# Altium PCB Matrix.PcbDoc (part 2 of 4) (continued)
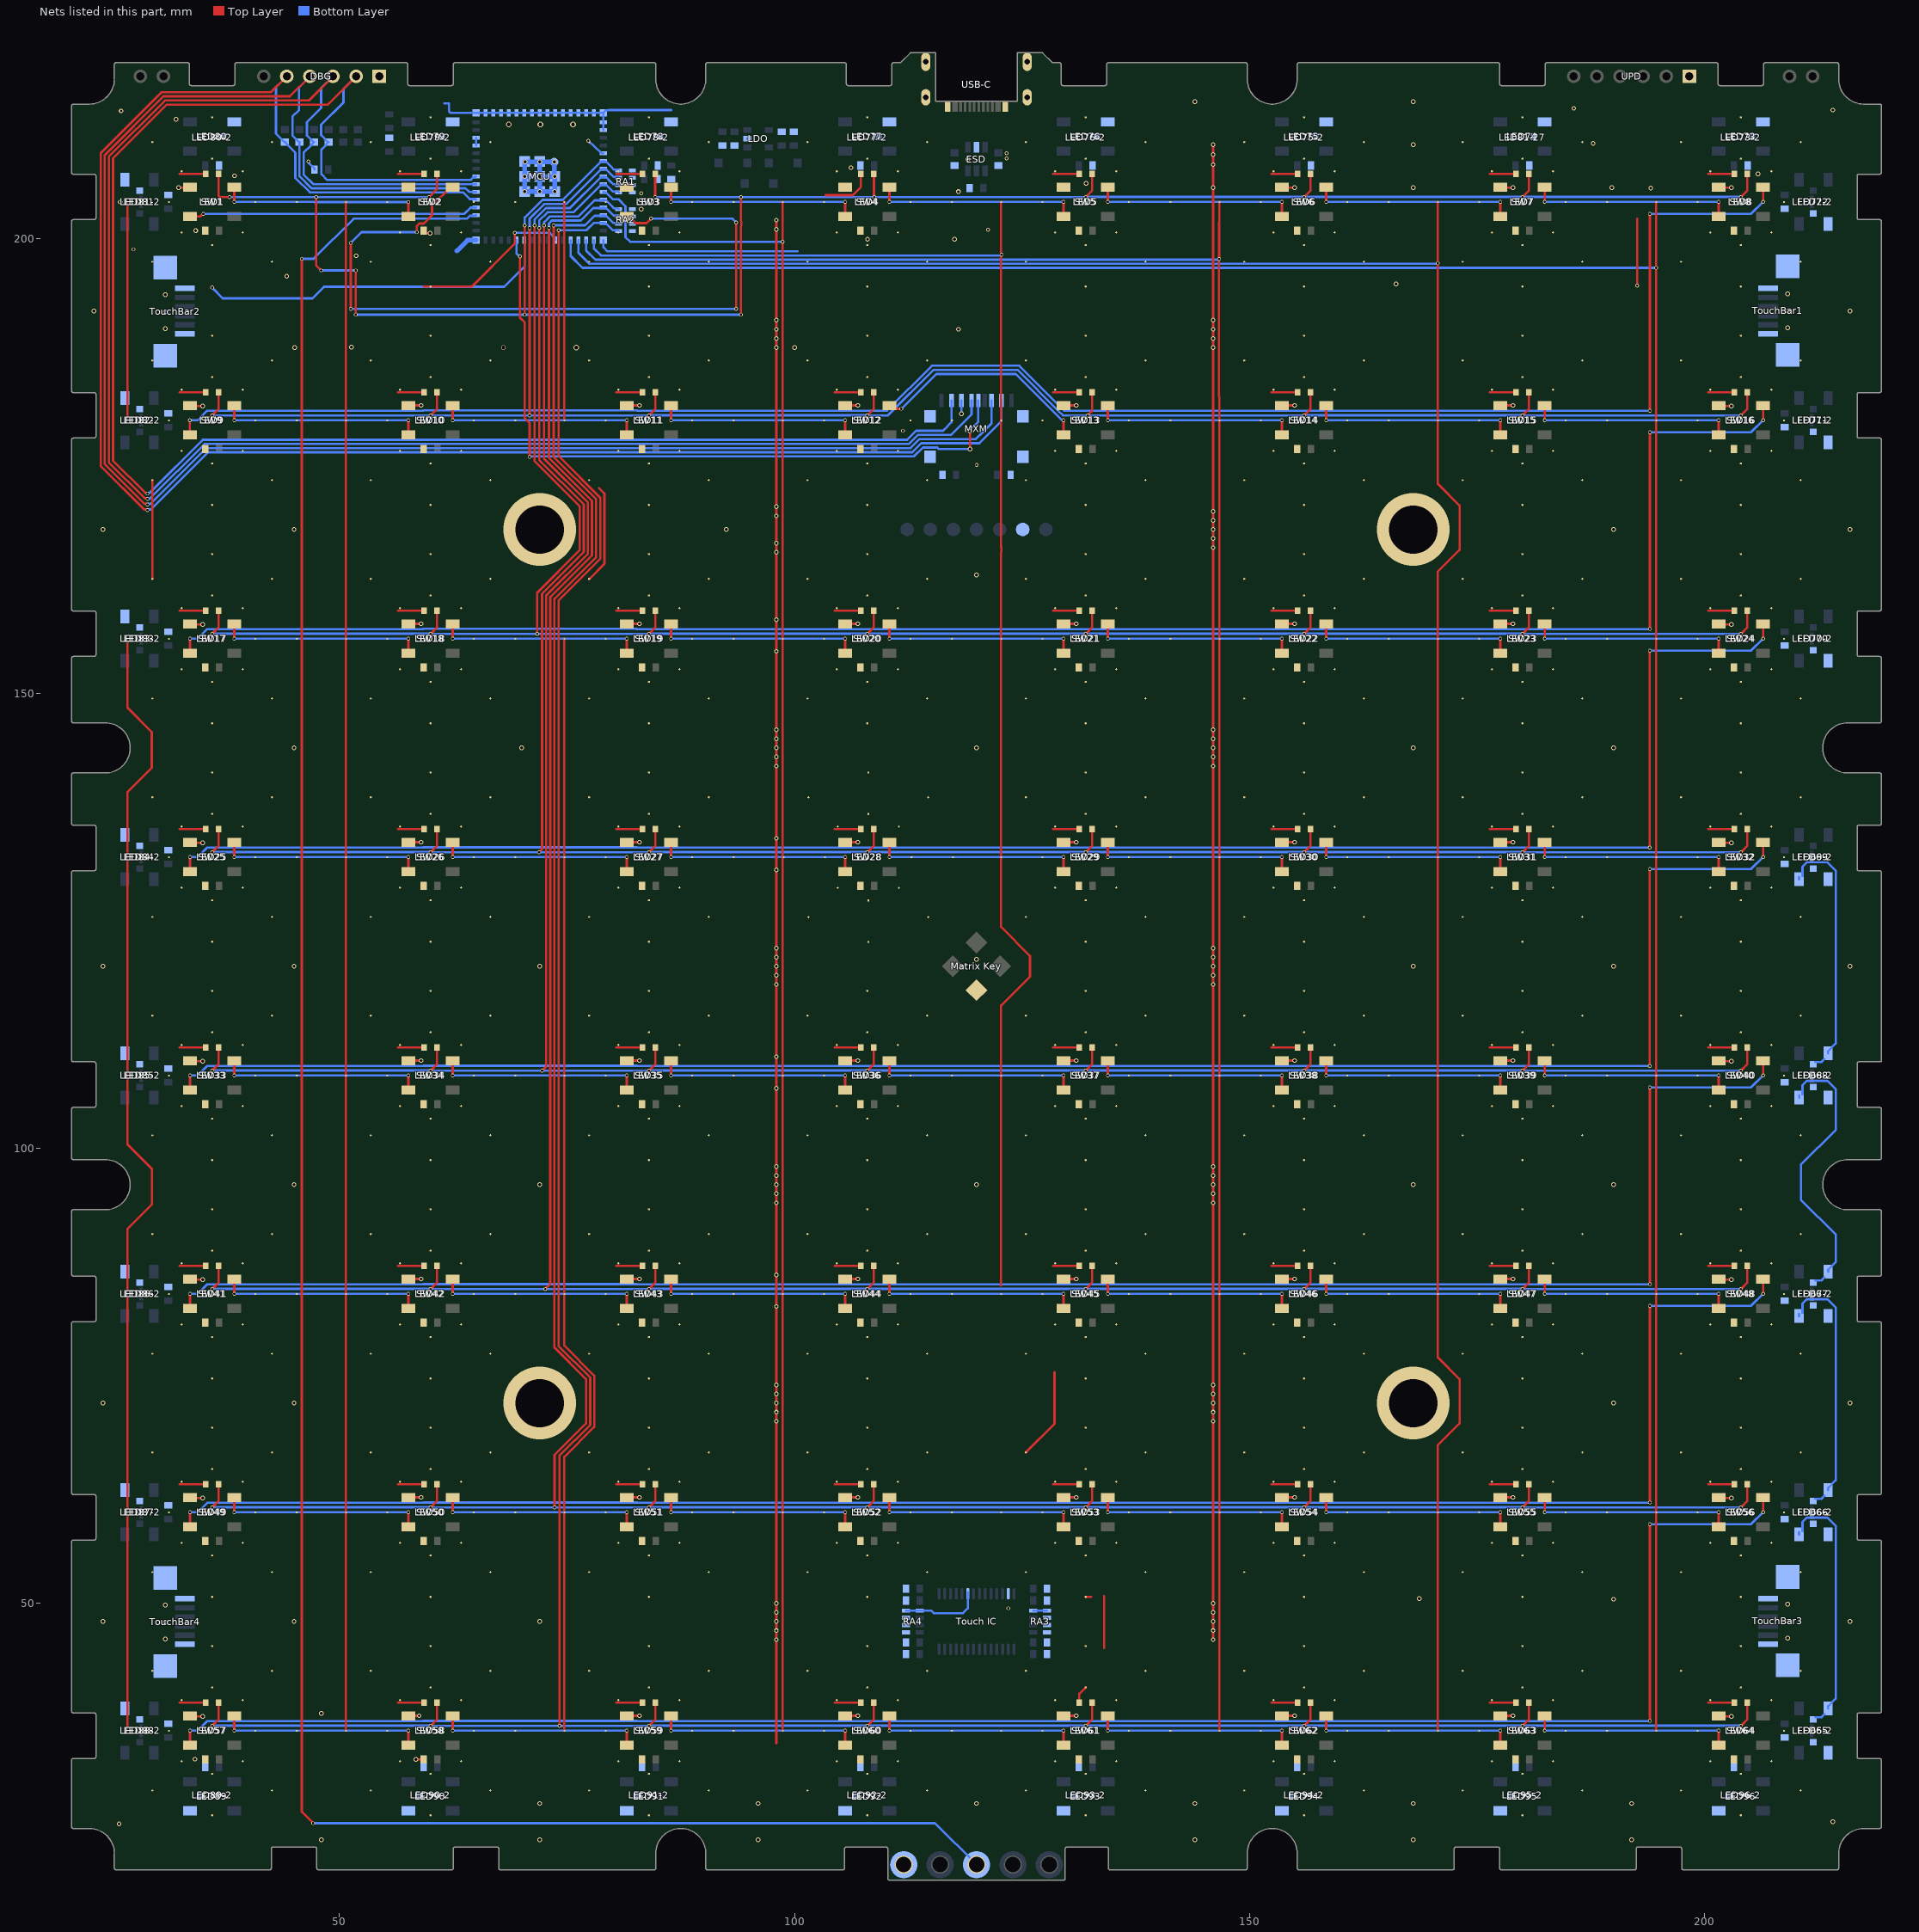
[diagram p2: the nets of this part, all layers, seen from the top]
## Nets (pads, with @x,y where several pads share a name; then routed paths per layer and width w, separated by ;. In a path a pad name is that pad's centre, name@x,y a point inside that pad or via, vN(x,y) a via of type N, cw(c..) or ccw(c..) an arc to the next point about the centre after c; other vN are vias at no path point) (continued)
KeyRead4: D25.2 D26.2 D27.2 D28.2 D29.2 D30.2 D31.2 D32.2 MCU.9 RA1.4 | length 275
  Top Layer w0.254: v1(36,132.53) 36.7,133.23 D25.2@36.7,135.08 ; v1(60,132.53) 60.7,133.23 D26.2@60.7,135.08 ; v1(71.918,132.54) 72.251,132.873 72.251,160.952 76.838,165.539 76.838,170.753 71.946,175.645 v1(71.946,201.128) ; v1(84,132.53) 84.7,133.23 D27.2@84.7,135.08 ; v1(108,132.53) 108.7,133.23 D28.2@108.7,135.08 ; v1(132,132.53) 132.7,133.23 D29.2@132.7,135.08 ; v1(156,132.53) 156.7,133.23 D30.2@156.7,135.08 ; v1(180,132.53) 180.7,133.23 D31.2@180.7,135.08 ; v1(204,132.53) 204.7,133.23 D32.2@204.7,135.08
  Bottom Layer w0.254: v1@36,132.55 59.98,132.55 v1(60,132.53) ; v1@60.01,132.54 60.015,132.535 71.913,132.535 v1(71.918,132.54) ; v1@71.918,132.541 71.924,132.535 83.995,132.535 v1(84,132.53) ; v1(71.946,201.128) 71.946,201.942 72.866,202.861 75.699,202.861 78.715,205.877 78.927,205.877 MCU.9@79,205.95 79.073,205.877 79.285,205.877 80.014,205.148 80.578,205.148 RA1.4@80.676,205.05 ; v1@84,132.55 107.98,132.55 v1(108,132.53) ; v1@108,132.55 131.98,132.55 v1(132,132.53) ; v1@132,132.55 155.98,132.55 v1(156,132.53) ; v1@156,132.55 179.98,132.55 v1(180,132.53) ; v1@180,132.55 180.02,132.53 v1(204,132.53)
KeyRead5: D33.2 D34.2 D35.2 D36.2 D37.2 D38.2 D39.2 D40.2 MCU.11 RA2.1 | length 297.7
  Top Layer w0.254: v1(36,108.53) 36.7,109.23 D33.2@36.7,111.08 ; v1(60,108.53) 60.7,109.23 D34.2@60.7,111.08 ; v1(72.251,108.53) 72.705,108.984 72.705,159.48 72.705,160.764 77.292,165.351 77.292,170.941 72.477,175.757 v1(72.477,201.422) ; v1(84,108.53) 84.7,109.23 D35.2@84.7,111.08 ; v1(108,108.53) 108.7,109.23 D36.2@108.7,111.08 ; v1(132,108.53) 132.7,109.23 D37.2@132.7,111.08 ; v1(156,108.53) 156.7,109.23 D38.2@156.7,111.08 ; v1(180,108.53) 180.7,109.23 D39.2@180.7,111.08 ; v1(204,108.53) 204.7,109.23 D40.2@204.7,111.08
  Bottom Layer w0.254: v1@36,108.55 59.98,108.55 v1(60,108.53) ; v1@60.01,108.54 60.02,108.53 v1(72.251,108.53) v1(84,108.53) ; v1(72.477,201.422) 72.484,201.43 72.484,201.761 73.13,202.407 76.255,202.407 78.025,204.177 78.927,204.177 MCU.11@79,204.25 79.073,204.177 79.285,204.177 79.795,203.667 80.164,203.298 80.578,203.298 RA2.1@80.676,203.2 ; v1@84,108.55 107.98,108.55 v1(108,108.53) ; v1@108,108.55 131.98,108.55 v1(132,108.53) ; v1@132,108.55 155.98,108.55 v1(156,108.53) ; v1@156,108.55 179.98,108.55 v1(180,108.53) ; v1@180,108.55 180.02,108.53 v1(204,108.53)
KeyRead6: D41.2 D42.2 D43.2 D44.2 D45.2 D46.2 D47.2 D48.2 MCU.12 RA2.2 | length 320.8
  Top Layer w0.254: v1(36,84.53) 36.7,85.23 D41.2@36.7,87.08 ; v1(60,84.53) 60.7,85.23 D42.2@60.7,87.08 ; v1(72.6,84.53) 73.159,85.089 73.159,159.292 73.159,160.576 77.746,165.163 77.746,171.129 73.007,175.869 v1(73.007,201.128) ; v1(84,84.53) 84.7,85.23 D43.2@84.7,87.08 ; v1(108,84.53) 108.7,85.23 D44.2@108.7,87.08 ; v1(132,84.53) 132.7,85.23 D45.2@132.7,87.08 ; v1(156,84.53) 156.7,85.23 D46.2@156.7,87.08 ; v1(180,84.53) 180.7,85.23 D47.2@180.7,87.08 ; v1(204,84.53) 204.7,85.23 D48.2@204.7,87.08
  Bottom Layer w0.254: v1@36,84.55 59.98,84.55 v1(60,84.53) ; v1@60.01,84.54 60.02,84.53 v1(72.6,84.53) v1(84,84.53) ; v1(73.007,201.128) 73.007,201.642 73.318,201.953 76.508,201.953 77.882,203.327 78.927,203.327 MCU.12@79,203.4 79.073,203.327 79.285,203.327 80.129,202.484 80.592,202.484 RA2.2@80.676,202.4 ; v1@84,84.55 107.98,84.55 v1(108,84.53) ; v1@108,84.55 131.98,84.55 v1(132,84.53) ; v1@132,84.55 155.98,84.55 v1(156,84.53) ; v1@156,84.55 179.98,84.55 v1(180,84.53) ; v1@180.01,84.54 180.02,84.53 v1(204,84.53)
KeyRead7: D49.2 D50.2 D51.2 D52.2 D53.2 D54.2 D55.2 D56.2 MCU.13 RA2.3 | length 346.4
  Top Layer w0.254: v1(36,60.53) 36.7,61.23 D49.2@36.7,63.08 ; v1(60,60.53) 60.7,61.23 D50.2@60.7,63.08 ; v1(73.537,201.422) 73.537,175.981 78.2,171.317 78.2,164.975 73.613,160.388 73.613,146.3 73.613,80.547 73.613,78.102 77.087,74.629 77.087,69.772 73.631,66.316 v1(73.631,60.53) ; v1(84,60.53) 84.7,61.23 D51.2@84.7,63.08 ; v1(108,60.53) 108.7,61.23 D52.2@108.7,63.08 ; v1(132,60.53) 132.7,61.23 D53.2@132.7,63.08 ; v1(156,60.53) 156.7,61.23 D54.2@156.7,63.08 ; v1(180,60.53) 180.7,61.23 D55.2@180.7,63.08 ; v1(204,60.53) 204.7,61.23 D56.2@204.7,63.08
  Bottom Layer w0.254: v1@36,60.55 59.98,60.55 v1(60,60.53) ; v1@60.01,60.54 60.02,60.53 v1(73.631,60.53) ; v1(73.537,201.422) 73.54,201.424 76.97,201.424 78.022,202.477 78.927,202.477 MCU.13@79,202.55 79.073,202.477 79.285,202.477 80.064,201.698 80.578,201.698 RA2.3@80.676,201.6 ; v1(73.631,60.53) v1(84,60.53) ; v1@84,60.55 107.98,60.55 v1(108,60.53) ; v1@108,60.55 131.98,60.55 v1(132,60.53) ; v1@132,60.55 155.98,60.55 v1(156,60.53) ; v1@156,60.55 179.98,60.55 v1(180,60.53) ; v1@180,60.55 180.02,60.53 v1(204,60.53)
KeyRead8: D57.2 D58.2 D59.2 D60.2 D61.2 D62.2 D63.2 D64.2 MCU.14 RA2.4 | length 369.1
  Top Layer w0.254: v1(36,36.53) 36.7,37.23 D57.2@36.7,39.08 ; v1(60,36.53) 60.7,37.23 D58.2@60.7,39.08 ; v1(74.067,200.894) 74.067,176.092 78.654,171.505 78.654,164.787 74.067,160.2 74.067,78.29 77.541,74.817 77.541,69.584 74.161,66.204 v1(74.161,36.54) ; v1(84,36.53) 84.7,37.23 D59.2@84.7,39.08 ; v1(108,36.53) 108.7,37.23 D60.2@108.7,39.08 ; v1(132,36.53) 132.7,37.23 D61.2@132.7,39.08 ; v1(156,36.53) 156.7,37.23 D62.2@156.7,39.08 ; v1(180,36.53) 180.7,37.23 D63.2@180.7,39.08 ; v1(204,36.53) 204.7,37.23 D64.2@204.7,39.08
  Bottom Layer w0.254: v1@36,36.55 59.98,36.55 v1(60,36.53) ; v1@60.01,36.54 60.015,36.535 74.156,36.535 v1(74.161,36.54) ; v1(74.067,200.894) 74.069,200.896 77.148,200.896 77.952,201.7 MCU.14@79,201.7 79.073,201.627 79.285,201.627 80.016,200.896 80.58,200.896 RA2.4@80.676,200.8 ; v1@74.161,36.53 74.166,36.535 83.995,36.535 v1(84,36.53) ; v1@84,36.55 107.98,36.55 v1(108,36.53) ; v1@108,36.55 131.98,36.55 v1(132,36.53) ; v1@132,36.55 155.98,36.55 v1(156,36.53) ; v1@156,36.55 179.98,36.55 v1(180,36.53) 180.02,36.55 203.98,36.55 v1(204,36.53)
LEDdata: LED1.4 MCU.34 | length 31.9
  Top Layer w0.254: LED1.4@33.562,202.4 34.699,202.4 34.984,202.686 v1(35.025,202.686)
  Bottom Layer w0.254: v1(35.025,202.686) 63.708,202.686 64.396,203.373 64.973,203.373 MCU.34@65,203.4
ModGPIO: MCU.33 P3.3 pad.@120,21.277 | length 268.3
  Top Layer w0.254: v1(45.853,197.743) 45.853,27.088 v1(47.104,25.838)
  Bottom Layer w0.254: v1(45.853,197.743) 47.135,197.743 51.547,202.155 64.003,202.155 64.325,202.477 64.927,202.477 MCU.33@65,202.55 ; v1(47.104,25.838) 115.439,25.838 P3.3@120,21.277
MXM_DET: MCU.26 MXM.9 | length 79.1
  Top Layer w0.254: v1(69.826,198.006) 69.825,198.005 69.825,191.295 70.355,190.765 70.355,180.231 70.886,179.7 v1(70.886,175.962) ; v2@119.297,176.835 v2(119.297,178.806)
  Bottom Layer w0.254: MCU.26@69.45,199.8 69.449,199.799 69.449,198.324 69.737,198.036 69.797,198.036 v1(69.826,198.006) ; v1(70.886,175.962) 70.927,175.962 71.003,176.038 113.14,176.038 114.115,177.012 115.685,177.012 115.87,176.828 v2(119.304,176.828) ; v2(119.297,178.806) 119.297,178.874 119.423,179 119.423,179.085 119.764,179.425 120.2,179.862 MXM.9@120.2,182.185
NC: 
NetD1_1: D1.1 SW1.2 | length 2.9
  Top Layer w0.254: 32.437,207.08 D1.1@35.3,207.08
NetD2_1: D2.1 SW2.2 | length 2.9
  Top Layer w0.254: 56.437,207.08 D2.1@59.3,207.08
NetD3_1: D3.1 SW3.2 | length 2.9
  Top Layer w0.254: 80.437,207.08 D3.1@83.3,207.08
NetD4_1: D4.1 SW4.2 | length 5.7
  Top Layer w0.254: 103.409,204.74 106.415,204.74 107.3,205.625 D4.1@107.3,207.08
NetD5_1: D5.1 SW5.2 | length 2.9
  Top Layer w0.254: 128.437,207.08 D5.1@131.3,207.08
NetD6_1: D6.1 SW6.2 | length 2.9
  Top Layer w0.254: 152.437,207.08 D6.1@155.3,207.08
NetD7_1: D7.1 SW7.2 | length 2.9
  Top Layer w0.254: 176.437,207.08 D7.1@179.3,207.08
NetD8_1: D8.1 SW8.2 | length 2.9
  Top Layer w0.254: 200.437,207.08 D8.1@203.3,207.08
NetD9_1: D9.1 SW9.2 | length 2.9
  Top Layer w0.254: 32.437,183.08 D9.1@35.3,183.08
NetD10_1: D10.1 SW10.2 | length 2.9
  Top Layer w0.254: 56.437,183.08 D10.1@59.3,183.08
NetD11_1: D11.1 SW11.2 | length 2.9
  Top Layer w0.254: 80.437,183.08 D11.1@83.3,183.08
NetD12_1: D12.1 SW12.2 | length 2.9
  Top Layer w0.254: 104.437,183.08 D12.1@107.3,183.08
NetD13_1: D13.1 SW13.2 | length 2.9
  Top Layer w0.254: 128.437,183.08 D13.1@131.3,183.08
NetD14_1: D14.1 SW14.2 | length 2.9
  Top Layer w0.254: 152.437,183.08 D14.1@155.3,183.08
NetD15_1: D15.1 SW15.2 | length 2.9
  Top Layer w0.254: 176.437,183.08 D15.1@179.3,183.08
NetD16_1: D16.1 SW16.2 | length 2.9
  Top Layer w0.254: 200.437,183.08 D16.1@203.3,183.08
NetD17_1: D17.1 SW17.2 | length 2.9
  Top Layer w0.254: 32.437,159.08 D17.1@35.3,159.08
NetD18_1: D18.1 SW18.2 | length 2.9
  Top Layer w0.254: 56.437,159.08 D18.1@59.3,159.08
NetD19_1: D19.1 SW19.2 | length 2.9
  Top Layer w0.254: 80.437,159.08 D19.1@83.3,159.08
NetD20_1: D20.1 SW20.2 | length 2.9
  Top Layer w0.254: 104.437,159.08 D20.1@107.3,159.08
NetD21_1: D21.1 SW21.2 | length 2.9
  Top Layer w0.254: 128.437,159.08 D21.1@131.3,159.08
NetD22_1: D22.1 SW22.2 | length 2.9
  Top Layer w0.254: 152.437,159.08 D22.1@155.3,159.08
NetD23_1: D23.1 SW23.2 | length 2.9
  Top Layer w0.254: 176.437,159.08 D23.1@179.3,159.08
NetD24_1: D24.1 SW24.2 | length 2.9
  Top Layer w0.254: 200.437,159.08 D24.1@203.3,159.08
NetD25_1: D25.1 SW25.2 | length 2.9
  Top Layer w0.254: 32.437,135.08 D25.1@35.3,135.08
NetD26_1: D26.1 SW26.2 | length 2.9
  Top Layer w0.254: 56.437,135.08 D26.1@59.3,135.08
NetD27_1: D27.1 SW27.2 | length 2.9
  Top Layer w0.254: 80.437,135.08 D27.1@83.3,135.08
NetD28_1: D28.1 SW28.2 | length 2.9
  Top Layer w0.254: 104.437,135.08 D28.1@107.3,135.08
NetD29_1: D29.1 SW29.2 | length 2.9
  Top Layer w0.254: 128.437,135.08 D29.1@131.3,135.08
NetD30_1: D30.1 SW30.2 | length 2.9
  Top Layer w0.254: 152.437,135.08 D30.1@155.3,135.08
NetD31_1: D31.1 SW31.2 | length 2.9
  Top Layer w0.254: 176.437,135.08 D31.1@179.3,135.08
NetD32_1: D32.1 SW32.2 | length 2.9
  Top Layer w0.254: 200.437,135.08 D32.1@203.3,135.08
NetD33_1: D33.1 SW33.2 | length 2.9
  Top Layer w0.254: 32.437,111.08 D33.1@35.3,111.08
NetD34_1: D34.1 SW34.2 | length 2.9
  Top Layer w0.254: 56.437,111.08 D34.1@59.3,111.08
NetD35_1: D35.1 SW35.2 | length 2.9
  Top Layer w0.254: 80.437,111.08 D35.1@83.3,111.08
NetD36_1: D36.1 SW36.2 | length 2.9
  Top Layer w0.254: 104.437,111.08 D36.1@107.3,111.08
NetD37_1: D37.1 SW37.2 | length 2.9
  Top Layer w0.254: 128.437,111.08 D37.1@131.3,111.08
NetD38_1: D38.1 SW38.2 | length 2.9
  Top Layer w0.254: 152.437,111.08 D38.1@155.3,111.08
NetD39_1: D39.1 SW39.2 | length 2.9
  Top Layer w0.254: 176.437,111.08 D39.1@179.3,111.08
NetD40_1: D40.1 SW40.2 | length 2.9
  Top Layer w0.254: 200.437,111.08 D40.1@203.3,111.08
NetD41_1: D41.1 SW41.2 | length 2.9
  Top Layer w0.254: 32.437,87.08 D41.1@35.3,87.08
NetD42_1: D42.1 SW42.2 | length 2.9
  Top Layer w0.254: 56.437,87.08 D42.1@59.3,87.08
NetD43_1: D43.1 SW43.2 | length 2.9
  Top Layer w0.254: 80.437,87.08 D43.1@83.3,87.08
NetD44_1: D44.1 SW44.2 | length 2.9
  Top Layer w0.254: 104.437,87.08 D44.1@107.3,87.08
NetD45_1: D45.1 SW45.2 | length 2.9
  Top Layer w0.254: 128.437,87.08 D45.1@131.3,87.08
NetD46_1: D46.1 SW46.2 | length 2.9
  Top Layer w0.254: 152.437,87.08 D46.1@155.3,87.08
NetD47_1: D47.1 SW47.2 | length 2.9
  Top Layer w0.254: 176.437,87.08 D47.1@179.3,87.08
NetD48_1: D48.1 SW48.2 | length 2.9
  Top Layer w0.254: 200.437,87.08 D48.1@203.3,87.08
NetD49_1: D49.1 SW49.2 | length 2.9
  Top Layer w0.254: 32.437,63.08 D49.1@35.3,63.08
NetD50_1: D50.1 SW50.2 | length 2.9
  Top Layer w0.254: 56.437,63.08 D50.1@59.3,63.08
NetD51_1: D51.1 SW51.2 | length 2.9
  Top Layer w0.254: 80.437,63.08 D51.1@83.3,63.08
NetD52_1: D52.1 SW52.2 | length 2.9
  Top Layer w0.254: 104.437,63.08 D52.1@107.3,63.08
NetD53_1: D53.1 SW53.2 | length 2.9
  Top Layer w0.254: 128.437,63.08 D53.1@131.3,63.08
NetD54_1: D54.1 SW54.2 | length 2.9
  Top Layer w0.254: 152.437,63.08 D54.1@155.3,63.08
NetD55_1: D55.1 SW55.2 | length 2.9
  Top Layer w0.254: 176.437,63.08 D55.1@179.3,63.08
NetD56_1: D56.1 SW56.2 | length 2.9
  Top Layer w0.254: 200.437,63.08 D56.1@203.3,63.08
NetD57_1: D57.1 SW57.2 | length 2.9
  Top Layer w0.254: 32.437,39.08 D57.1@35.3,39.08
NetD58_1: D58.1 SW58.2 | length 2.9
  Top Layer w0.254: 56.437,39.08 D58.1@59.3,39.08
NetD59_1: D59.1 SW59.2 | length 2.9
  Top Layer w0.254: 80.437,39.08 D59.1@83.3,39.08
NetD60_1: D60.1 SW60.2 | length 2.9
  Top Layer w0.254: 104.437,39.08 D60.1@107.3,39.08
NetD61_1: D61.1 SW61.2 | length 2
  Top Layer w0.254: D61.1@131.3,39.08 131.3,40.05 SW61.2@132,40.75
NetD62_1: D62.1 SW62.2 | length 2.9
  Top Layer w0.254: 152.437,39.08 D62.1@155.3,39.08
NetD63_1: D63.1 SW63.2 | length 2.9
  Top Layer w0.254: 176.437,39.08 D63.1@179.3,39.08
NetD64_1: D64.1 SW64.2 | length 2.9
  Top Layer w0.254: 200.437,39.08 D64.1@203.3,39.08
NetLED1_2: LED1.2 LED2.4 | length 23.1
  Top Layer w0.254: LED1.2@37.815,205.227 38.188,205.6 LED1.2@38.438,205.6 v1(38.438,204) ; v1(57.56,203.984) v1(57.56,203.984) LED2.4@57.562,202.4
  Bottom Layer w0.254: v1(38.438,204) 47.213,204 47.23,203.984 v1(57.56,203.984)
NetLED2_2: LED2.2 LED3.4 | length 86.6
  Top Layer w0.254: v1(51.234,192.246) v1(51.234,199.501) ; v1(58.497,200.678) 58.497,201.359 58.765,201.627 59.251,201.627 60.167,202.543 60.167,203.567 60.231,203.631 60.231,203.643 62.188,205.6 LED2.2@62.438,205.6 LED2.2@62.451,205.588 ; LED3.4@81.562,202.4 81.812,202.4 82.544,201.667 83.732,201.667 v1(84.22,202.155) ; v1(93.583,192.246) 93.592,192.255 93.592,201.739 v1(93.601,201.748)
  Bottom Layer w0.254: v1(51.234,192.246) v1(93.583,192.246) ; v1(51.234,199.501) 52.411,200.678 v1(58.497,200.678) ; v1(84.22,202.155) 93.182,202.155 93.59,201.748 v1(93.601,201.748)
NetLED3_2: LED3.2 LED4.4 | length 22.3
  Top Layer w0.254: v1(86.438,204) LED3.2@86.438,205.6 ; LED4.4@105.562,202.4 v1(105.562,204)
  Bottom Layer w0.254: v1(86.438,204) v1(105.562,204)
NetLED4_2: LED4.2 LED5.4 | length 22.3
  Top Layer w0.254: v1(110.438,204) LED4.2@110.438,205.6 ; LED5.4@129.562,202.4 v1(129.562,204)
  Bottom Layer w0.254: v1(110.438,204) v1(129.562,204)
NetLED5_2: LED5.2 LED6.4 | length 22.3
  Top Layer w0.254: v1(134.438,204) LED5.2@134.438,205.6 ; LED6.4@153.562,202.4 v1(153.562,204)
  Bottom Layer w0.254: v1(134.438,204) v1(153.562,204)
NetLED6_2: LED6.2 LED7.4 | length 22.3
  Top Layer w0.254: v1(158.438,204) LED6.2@158.438,205.6 ; LED7.4@177.562,202.4 v1(177.562,204)
  Bottom Layer w0.254: v1(158.438,204) v1(177.562,204)
NetLED7_2: LED7.2 LED8.4 | length 22.3
  Top Layer w0.254: v1(182.438,204) LED7.2@182.438,205.6 ; LED8.4@201.562,202.4 v1(201.562,204)
  Bottom Layer w0.254: v1(182.438,204) v1(201.562,204)
NetLED8_2: LED8.2 LED9.4 | length 202.8
  Top Layer w0.254: v1(33.532,180) 33.532,178.43 LED9.4@33.562,178.4 ; v1(194.002,181.06) v1(194.002,202.686) ; v1(206.438,204) LED8.2@206.438,205.6
  Bottom Layer w0.254: v1(33.532,180) 34.403,180 35.463,181.06 59.194,181.06 59.214,181.08 82.692,181.08 82.712,181.06 110.155,181.06 115.095,186 124.69,186 129.63,181.06 132.003,181.06 v1(194.002,181.06) ; v1(194.002,202.686) 205.124,202.686 v1(206.438,204)
NetLED9_2: LED9.2 LED10.4 | length 22.3
  Top Layer w0.254: v1(38.438,180) LED9.2@38.438,181.6 ; LED10.4@57.562,178.4 v1(57.562,180)
  Bottom Layer w0.254: v1(38.438,180) v1(57.562,180)
NetLED10_2: LED10.2 LED11.4 | length 22.3
  Top Layer w0.254: v1(62.438,180) LED10.2@62.438,181.6 ; LED11.4@81.562,178.4 v1(81.562,180)
  Bottom Layer w0.254: v1(62.438,180) v1(81.562,180)
NetLED11_2: LED11.2 LED12.4 | length 22.3
  Top Layer w0.254: v1(86.438,180) LED11.2@86.438,181.6 ; LED12.4@105.562,178.4 v1(105.562,180)
  Bottom Layer w0.254: v1(86.438,180) v1(105.562,180)
NetLED12_2: LED12.2 LED13.4 | length 24.6
  Top Layer w0.254: LED12.2@110.438,181.6 110.783,181.255 v1(111.742,181.255) ; LED13.4@129.562,178.4 v1(129.562,180)
  Bottom Layer w0.254: v1(111.742,181.255) 113.89,183.403 115.579,185.092 124.314,185.092 128.906,180.5 129.377,180.029 129.533,180.029 v1(129.562,180)
NetLED13_2: LED13.2 LED14.4 | length 22.3
  Top Layer w0.254: v1(134.438,180) LED13.2@134.438,181.6 ; LED14.4@153.562,178.4 v1(153.562,180)
  Bottom Layer w0.254: v1(134.438,180) v1(153.562,180)
NetLED14_2: LED14.2 LED15.4 | length 22.3
  Top Layer w0.254: v1(158.438,180) LED14.2@158.438,181.6 ; LED15.4@177.562,178.4 v1(177.562,180)
  Bottom Layer w0.254: v1(158.438,180) v1(177.562,180)
NetLED15_2: LED15.2 LED16.4 | length 22.3
  Top Layer w0.254: v1(182.438,180) LED15.2@182.438,181.6 ; LED16.4@201.562,178.4 v1(201.562,180)
  Bottom Layer w0.254: v1(182.438,180) v1(201.562,180)
NetLED16_2: LED16.2 LED17.4 | length 198.7
  Top Layer w0.254: LED17.4@33.562,154.4 v1(33.562,156) ; v1(194,157.072) v1(194,178.686) ; v1(206.438,180) LED16.2@206.438,181.6
  Bottom Layer w0.254: v1(33.562,156) 34.403,156 35.463,157.06 59.194,157.06 59.214,157.08 82.63,157.08 82.65,157.06 193.989,157.06 v1(194,157.072) ; v1(194,178.686) 205.124,178.686 v1(206.438,180)
NetLED17_2: LED17.2 LED18.4 | length 22.3
  Top Layer w0.254: v1(38.438,156) LED17.2@38.438,157.6 ; LED18.4@57.562,154.4 v1(57.562,156)
  Bottom Layer w0.254: v1(38.438,156) v1(57.562,156)
NetLED18_2: LED18.2 LED19.4 | length 22.3
  Top Layer w0.254: v1(62.438,156) LED18.2@62.438,157.6 ; LED19.4@81.562,154.4 v1(81.562,156)
  Bottom Layer w0.254: v1(62.438,156) v1(81.562,156)
NetLED19_2: LED19.2 LED20.4 | length 22.3
  Top Layer w0.254: v1(86.438,156) LED19.2@86.438,157.6 ; LED20.4@105.562,154.4 v1(105.562,156)
  Bottom Layer w0.254: v1(86.438,156) v1(105.562,156)
NetLED20_2: LED20.2 LED21.4 | length 22.3
  Top Layer w0.254: v1(110.438,156) LED20.2@110.438,157.6 ; LED21.4@129.562,154.4 v1(129.562,156)
  Bottom Layer w0.254: v1(110.438,156) v1(129.562,156)
NetLED21_2: LED21.2 LED22.4 | length 22.3
  Top Layer w0.254: v1(134.438,156) LED21.2@134.438,157.6 ; LED22.4@153.562,154.4 v1(153.562,156)
  Bottom Layer w0.254: v1(134.438,156) v1(153.562,156)
NetLED22_2: LED22.2 LED23.4 | length 22.3
  Top Layer w0.254: v1(158.438,156) LED22.2@158.438,157.6 ; LED23.4@177.562,154.4 v1(177.562,156)
  Bottom Layer w0.254: v1(158.438,156) v1(177.562,156)
NetLED23_2: LED23.2 LED24.4 | length 22.3
  Top Layer w0.254: v1(182.438,156) LED23.2@182.438,157.6 ; LED24.4@201.562,154.4 v1(201.562,156)
  Bottom Layer w0.254: v1(182.438,156) v1(201.562,156)
NetLED24_2: LED24.2 LED25.4 | length 198.7
  Top Layer w0.254: LED25.4@33.562,130.4 v1(33.562,132) ; v1(193.988,133.06) 193.994,133.066 193.994,154.68 v1(194,154.686) ; v1(206.438,156) LED24.2@206.438,157.6
  Bottom Layer w0.254: v1(33.562,132) 34.416,132 35.476,133.06 59.194,133.06 59.204,133.07 82.702,133.07 82.712,133.06 v1(193.988,133.06) ; v1(194,154.686) 205.124,154.686 v1(206.438,156)
NetLED25_2: LED25.2 LED26.4 | length 22.3
  Top Layer w0.254: v1(38.438,132) LED25.2@38.438,133.6 ; LED26.4@57.562,130.4 v1(57.562,132)
  Bottom Layer w0.254: v1(38.438,132) v1(57.562,132)
NetLED26_2: LED26.2 LED27.4 | length 22.3
  Top Layer w0.254: v1(62.438,132) LED26.2@62.438,133.6 ; LED27.4@81.562,130.4 v1(81.562,132)
  Bottom Layer w0.254: v1(62.438,132) v1(81.562,132)
NetLED27_2: LED27.2 LED28.4 | length 22.3
  Top Layer w0.254: v1(86.438,132) LED27.2@86.438,133.6 ; LED28.4@105.562,130.4 v1(105.562,132)
  Bottom Layer w0.254: v1(86.438,132) v1(105.562,132)
NetLED28_2: LED28.2 LED29.4 | length 22.3
  Top Layer w0.254: v1(110.438,132) LED28.2@110.438,133.6 ; LED29.4@129.562,130.4 v1(129.562,132)
  Bottom Layer w0.254: v1(110.438,132) v1(129.562,132)
NetLED29_2: LED29.2 LED30.4 | length 22.3
  Top Layer w0.254: v1(134.438,132) LED29.2@134.438,133.6 ; LED30.4@153.562,130.4 v1(153.562,132)
  Bottom Layer w0.254: v1(134.438,132) v1(153.562,132)
NetLED30_2: LED30.2 LED31.4 | length 22.3
  Top Layer w0.254: v1(158.438,132) LED30.2@158.438,133.6 ; LED31.4@177.562,130.4 v1(177.562,132)
  Bottom Layer w0.254: v1(158.438,132) v1(177.562,132)
NetLED31_2: LED31.2 LED32.4 | length 22.3
  Top Layer w0.254: v1(182.438,132) LED31.2@182.438,133.6 ; LED32.4@201.562,130.4 v1(201.562,132)
  Bottom Layer w0.254: v1(182.438,132) v1(201.562,132)
NetLED32_2: LED32.2 LED33.4 | length 198.7
  Top Layer w0.254: LED33.4@33.562,106.4 v1(33.562,108) ; v1(193.988,109.06) 193.994,109.067 193.994,130.68 v1(194,130.686) ; v1(206.438,132) LED32.2@206.438,133.6
  Bottom Layer w0.254: v1(33.562,108) 34.416,108 35.476,109.06 59.207,109.06 59.217,109.07 82.702,109.07 82.712,109.06 v1(193.988,109.06) ; v1(194,130.686) 205.124,130.686 v1(206.438,132)
NetLED33_2: LED33.2 LED34.4 | length 22.3
  Top Layer w0.254: v1(38.438,108) LED33.2@38.438,109.6 ; LED34.4@57.562,106.4 v1(57.562,108)
  Bottom Layer w0.254: v1(38.438,108) v1(57.562,108)
NetLED34_2: LED34.2 LED35.4 | length 22.3
  Top Layer w0.254: v1(62.438,108) LED34.2@62.438,109.6 ; LED35.4@81.562,106.4 v1(81.562,108)
  Bottom Layer w0.254: v1(62.438,108) v1(81.562,108)
NetLED35_2: LED35.2 LED36.4 | length 22.3
  Top Layer w0.254: v1(86.438,108) LED35.2@86.438,109.6 ; LED36.4@105.562,106.4 v1(105.562,108)
  Bottom Layer w0.254: v1(86.438,108) v1(105.562,108)
NetLED36_2: LED36.2 LED37.4 | length 22.3
  Top Layer w0.254: v1(110.438,108) LED36.2@110.438,109.6 ; LED37.4@129.562,106.4 v1(129.562,108)
  Bottom Layer w0.254: v1(110.438,108) v1(129.562,108)
NetLED37_2: LED37.2 LED38.4 | length 22.3
  Top Layer w0.254: v1(134.438,108) LED37.2@134.438,109.6 ; LED38.4@153.562,106.4 v1(153.562,108)
  Bottom Layer w0.254: v1(134.438,108) v1(153.562,108)
NetLED38_2: LED38.2 LED39.4 | length 22.3
  Top Layer w0.254: v1(158.438,108) LED38.2@158.438,109.6 ; LED39.4@177.562,106.4 v1(177.562,108)
  Bottom Layer w0.254: v1(158.438,108) v1(177.562,108)
NetLED39_2: LED39.2 LED40.4 | length 22.3
  Top Layer w0.254: v1(182.438,108) LED39.2@182.438,109.6 ; LED40.4@201.562,106.4 v1(201.562,108)
  Bottom Layer w0.254: v1(182.438,108) v1(201.562,108)
NetLED40_2: LED40.2 LED41.4 | length 198.7
  Top Layer w0.254: LED41.4@33.562,82.4 v1(33.562,84) ; v1(194,85.072) v1(194,106.686) ; v1(206.438,108) LED40.2@206.438,109.6
  Bottom Layer w0.254: v1(33.562,84) 34.416,84 35.476,85.06 59.194,85.06 59.204,85.07 82.702,85.07 82.712,85.06 193.989,85.06 v1(194,85.072) ; v1(194,106.686) 205.124,106.686 v1(206.438,108)
NetLED41_2: LED41.2 LED42.4 | length 22.3
  Top Layer w0.254: v1(38.438,84) LED41.2@38.438,85.6 ; LED42.4@57.562,82.4 v1(57.562,84)
  Bottom Layer w0.254: v1(38.438,84) v1(57.562,84)
NetLED42_2: LED42.2 LED43.4 | length 22.3
  Top Layer w0.254: v1(62.438,84) LED42.2@62.438,85.6 ; LED43.4@81.562,82.4 v1(81.562,84)
  Bottom Layer w0.254: v1(62.438,84) v1(81.562,84)
NetLED43_2: LED43.2 LED44.4 | length 22.3
  Top Layer w0.254: v1(86.438,84) LED43.2@86.438,85.6 ; LED44.4@105.562,82.4 v1(105.562,84)
  Bottom Layer w0.254: v1(86.438,84) v1(105.562,84)
NetLED44_2: LED44.2 LED45.4 | length 22.3
  Top Layer w0.254: v1(110.438,84) LED44.2@110.438,85.6 ; LED45.4@129.562,82.4 v1(129.562,84)
  Bottom Layer w0.254: v1(110.438,84) v1(129.562,84)
NetLED45_2: LED45.2 LED46.4 | length 22.3
  Top Layer w0.254: v1(134.438,84) LED45.2@134.438,85.6 ; LED46.4@153.562,82.4 v1(153.562,84)
  Bottom Layer w0.254: v1(134.438,84) v1(153.562,84)
NetLED46_2: LED46.2 LED47.4 | length 22.3
  Top Layer w0.254: v1(158.438,84) LED46.2@158.438,85.6 ; LED47.4@177.562,82.4 v1(177.562,84)
  Bottom Layer w0.254: v1(158.438,84) v1(177.562,84)
NetLED47_2: LED47.2 LED48.4 | length 22.3
  Top Layer w0.254: v1(182.438,84) LED47.2@182.438,85.6 ; LED48.4@201.562,82.4 v1(201.562,84)
  Bottom Layer w0.254: v1(182.438,84) v1(201.562,84)
NetLED48_2: LED48.2 LED49.4 | length 198.7
  Top Layer w0.254: LED49.4@33.562,58.4 v1(33.562,60) ; v1(194,61.072) v1(194,82.686) ; v1(206.438,84) LED48.2@206.438,85.6
  Bottom Layer w0.254: v1(33.562,60) 34.423,60 35.483,61.06 59.194,61.06 59.204,61.07 82.702,61.07 82.712,61.06 193.989,61.06 v1(194,61.072) ; v1(194,82.686) 205.124,82.686 v1(206.438,84)
NetLED49_2: LED49.2 LED50.4 | length 22.3
  Top Layer w0.254: v1(38.438,60) LED49.2@38.438,61.6 ; LED50.4@57.562,58.4 v1(57.562,60)
  Bottom Layer w0.254: v1(38.438,60) v1(57.562,60)
NetLED50_2: LED50.2 LED51.4 | length 22.3
  Top Layer w0.254: v1(62.438,60) LED50.2@62.438,61.6 ; LED51.4@81.562,58.4 v1(81.562,60)
  Bottom Layer w0.254: v1(62.438,60) v1(81.562,60)
NetLED51_2: LED51.2 LED52.4 | length 22.3
  Top Layer w0.254: v1(86.438,60) LED51.2@86.438,61.6 ; LED52.4@105.562,58.4 v1(105.562,60)
  Bottom Layer w0.254: v1(86.438,60) v1(105.562,60)
NetLED52_2: LED52.2 LED53.4 | length 22.3
  Top Layer w0.254: v1(110.438,60) LED52.2@110.438,61.6 ; LED53.4@129.562,58.4 v1(129.562,60)
  Bottom Layer w0.254: v1(110.438,60) v1(129.562,60)
NetLED53_2: LED53.2 LED54.4 | length 22.3
  Top Layer w0.254: v1(134.438,60) LED53.2@134.438,61.6 ; LED54.4@153.562,58.4 v1(153.562,60)
  Bottom Layer w0.254: v1(134.438,60) v1(153.562,60)
NetLED54_2: LED54.2 LED55.4 | length 22.3
  Top Layer w0.254: v1(158.438,60) LED54.2@158.438,61.6 ; LED55.4@177.562,58.4 v1(177.562,60)
  Bottom Layer w0.254: v1(158.438,60) v1(177.562,60)
NetLED55_2: LED55.2 LED56.4 | length 22.3
  Top Layer w0.254: v1(182.438,60) LED55.2@182.438,61.6 ; LED56.4@201.562,58.4 v1(201.562,60)
  Bottom Layer w0.254: v1(182.438,60) v1(201.562,60)
NetLED56_2: LED56.2 LED57.4 | length 198.6
  Top Layer w0.254: LED57.4@33.562,34.4 v1(33.562,36) ; v1(194,37.08) v1(194,58.686) ; v1(206.438,60) LED56.2@206.438,61.6
  Bottom Layer w0.254: v1(33.562,36) 34.416,36 35.476,37.06 ; 35.548,37.06 59.194,37.06 59.204,37.07 82.702,37.07 82.712,37.06 193.98,37.06 v1(194,37.08) ; v1(194,58.686) 205.124,58.686 v1(206.438,60)
NetLED57_2: LED57.2 LED58.4 | length 22.3
  Top Layer w0.254: v1(38.438,36) LED57.2@38.438,37.6 ; LED58.4@57.562,34.4 v1(57.562,36)
  Bottom Layer w0.254: v1(38.438,36) v1(57.562,36)
NetLED58_2: LED58.2 LED59.4 | length 22.3
  Top Layer w0.254: v1(62.438,36) LED58.2@62.438,37.6 ; LED59.4@81.562,34.4 v1(81.562,36)
  Bottom Layer w0.254: v1(62.438,36) v1(81.562,36)
NetLED59_2: LED59.2 LED60.4 | length 22.3
  Top Layer w0.254: v1(86.438,36) LED59.2@86.438,37.6 ; LED60.4@105.562,34.4 v1(105.562,36)
  Bottom Layer w0.254: v1(86.438,36) v1(105.562,36)
NetLED60_2: LED60.2 LED61.4 | length 22.3
  Top Layer w0.254: v1(110.438,36) LED60.2@110.438,37.6 ; LED61.4@129.562,34.4 v1(129.562,36)
  Bottom Layer w0.254: v1(110.438,36) v1(129.562,36)
NetLED61_2: LED61.2 LED62.4 | length 22.3
  Top Layer w0.254: v1(134.438,36) LED61.2@134.438,37.6 ; LED62.4@153.562,34.4 v1(153.562,36)
  Bottom Layer w0.254: v1(134.438,36) v1(153.562,36)
NetLED62_2: LED62.2 LED63.4 | length 22.3
  Top Layer w0.254: v1(158.438,36) LED62.2@158.438,37.6 ; LED63.4@177.562,34.4 v1(177.562,36)
  Bottom Layer w0.254: v1(158.438,36) v1(177.562,36)
NetLED63_2: LED63.2 LED64.4 | length 22.3
  Top Layer w0.254: v1(182.438,36) LED63.2@182.438,37.6 ; LED64.4@201.562,34.4 v1(201.562,36)
  Bottom Layer w0.254: v1(182.438,36) v1(201.562,36)
NetLED65_2: LED65-2.2 LED65.2 LED66-2.4 LED66.4 | length 26.9
  Bottom Layer w0.254: LED66.4@210.4,57.562 LED66.4@210.4,57.812 ; LED66.4@210.773,57.935 210.773,58.948 211.252,59.427 LED66-2.4@211.702,59.427 ; LED66-2.4@211.898,59.427 213.515,59.427 214.432,58.51 214.432,39.52 213.6,38.689 LED65.2@213.6,38.438 ; LED65-2.2@212.173,37.473 212.855,37.473 LED65.2@213.197,37.815
NetLED66_2: LED66-2.2 LED66.2 LED67-2.4 LED67.4 | length 26.9
  Bottom Layer w0.254: LED67.4@210.4,81.562 LED67.4@210.4,81.812 ; LED67.4@210.773,81.935 210.773,82.948 211.252,83.427 LED67-2.4@211.702,83.427 ; LED67-2.4@211.898,83.427 213.515,83.427 214.432,82.51 214.432,63.52 213.6,62.689 LED66.2@213.6,62.438 ; LED66-2.2@212.173,61.473 212.855,61.473 LED66.2@213.197,61.815
NetLED67_2: LED67-2.2 LED67.2 LED68-2.4 LED68.4 | length 30.1
  Bottom Layer w0.254: LED68.4@210.415,105.562 LED68.4@210.415,105.812 ; LED68.4@210.773,105.935 210.773,106.948 211.252,107.427 LED68-2.4@211.702,107.427 ; LED68-2.4@211.898,107.427 213.515,107.427 214.432,106.51 ; LED67-2.2@212.173,85.473 212.855,85.473 LED67.2@213.197,85.815 ; LED67.2@213.616,86.438 213.616,86.689 214.447,87.52 214.447,90.497 210.6,94.344 210.6,98.202 214.447,102.049 214.447,106.51
NetLED68_2: LED68-2.2 LED68.2 LED69-2.4 LED69.4 | length 26.9
  Bottom Layer w0.254: LED69.4@210.4,129.562 LED69.4@210.4,129.812 ; LED69.4@210.773,129.935 210.773,130.948 211.252,131.427 LED69-2.4@211.702,131.427 ; LED69-2.4@211.898,131.427 213.515,131.427 214.432,130.51 214.432,111.52 213.6,110.689 LED68.2@213.6,110.438 ; LED68-2.2@212.173,109.473 212.855,109.473 LED68.2@213.197,109.815